# Altium PCB BMS.PcbDoc (part 1 of 2) (continued)
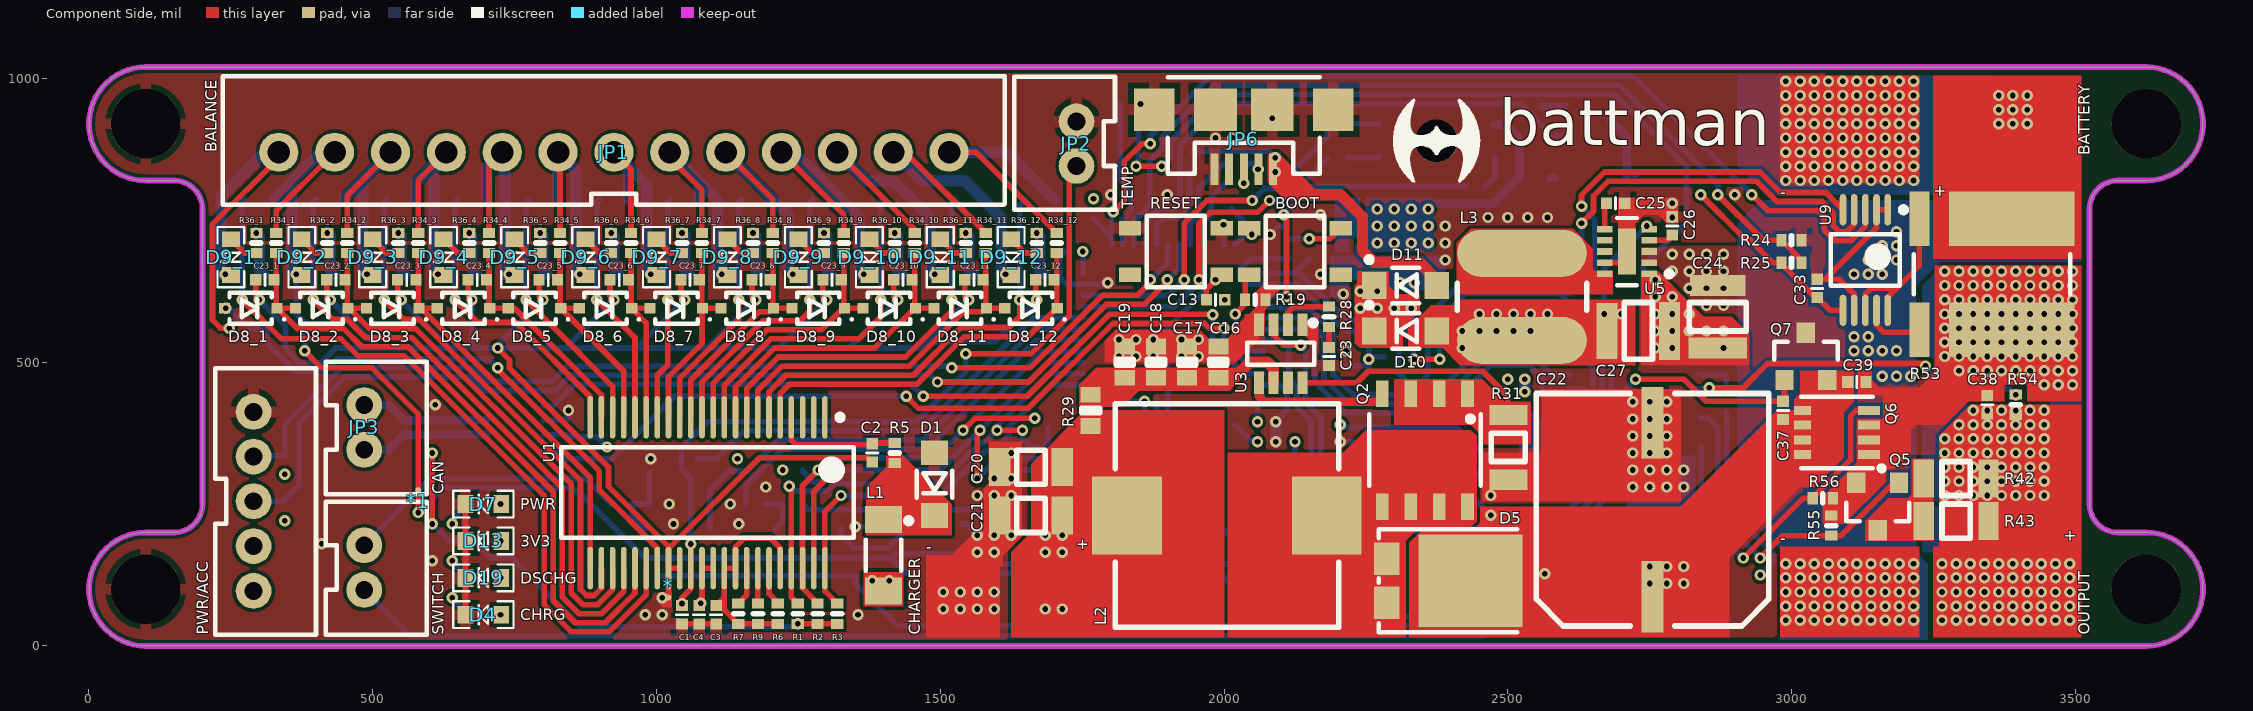
[diagram p0: Component Side view]
## Components (designator, comment, footprint, x,y, rotation, side; value= is the part's Value field where it differs from the comment) (continued)
R35_1 "47R 5% 0805" R0805[2012] 270,655 r0 bottom (schematic designator R35)
R35_2 "47R 5% 0805" R0805[2012] 395,655 r0 bottom (schematic designator R35)
R35_3 "47R 5% 0805" R0805[2012] 520,655 r0 bottom (schematic designator R35)
R35_4 "47R 5% 0805" R0805[2012] 645,655 r0 bottom (schematic designator R35)
R35_5 "47R 5% 0805" R0805[2012] 770,655 r0 bottom (schematic designator R35)
R35_6 "47R 5% 0805" R0805[2012] 895,655 r0 bottom (schematic designator R35)
R35_7 "47R 5% 0805" R0805[2012] 1020,655 r0 bottom (schematic designator R35)
R35_8 "47R 5% 0805" R0805[2012] 1145,655 r0 bottom (schematic designator R35)
R35_9 "47R 5% 0805" R0805[2012] 1270,655 r0 bottom (schematic designator R35)
R35_10 "47R 5% 0805" R0805[2012] 1395,655 r0 bottom (schematic designator R35)
R35_11 "47R 5% 0805" R0805[2012] 1520,655 r0 bottom (schematic designator R35)
R35_12 "47R 5% 0805" R0805[2012] 1645,655 r0 bottom (schematic designator R35)
R36_1 "100R 1% 0402" R0402[1005] 295,710 r90 top (schematic designator R36)
R36_2 "100R 1% 0402" R0402[1005] 420,710 r90 top (schematic designator R36)
R36_3 "100R 1% 0402" R0402[1005] 545,710 r90 top (schematic designator R36)
R36_4 "100R 1% 0402" R0402[1005] 670,710 r90 top (schematic designator R36)
R36_5 "100R 1% 0402" R0402[1005] 795,710 r90 top (schematic designator R36)
R36_6 "100R 1% 0402" R0402[1005] 920,710 r90 top (schematic designator R36)
R36_7 "100R 1% 0402" R0402[1005] 1045,710 r90 top (schematic designator R36)
R36_8 "100R 1% 0402" R0402[1005] 1170,710 r90 top (schematic designator R36)
R36_9 "100R 1% 0402" R0402[1005] 1295,710 r90 top (schematic designator R36)
R36_10 "100R 1% 0402" R0402[1005] 1420,710 r90 top (schematic designator R36)
R36_11 "100R 1% 0402" R0402[1005] 1545,710 r90 top (schematic designator R36)
R36_12 "100R 1% 0402" R0402[1005] 1670,710 r90 top (schematic designator R36)
R37 "150R 1% 0402" R0402[1005] 695,185 r180 bottom
R38 "51K 1% 0402" R0402[1005] 1240,250 r0 bottom
R39 "18K 1% 0402" R0402[1005] 1175,250 r0 bottom
R40 "4K7 1% 0402" R0402[1005] 1175,280 r180 bottom
R41 "10K 1% 0402" R0402[1005] 1535,145 r90 bottom
R42 "50R 2% 1206" R1206[3216] 3290,295 r0 top
R43 "50R 2% 1206" R1206[3216] 3290,220 r0 top
R44 "10K 1% 0402" R0402[1005] 1520,215 r180 bottom
R45 "10K 1% 0402" R0402[1005] 1110,250 r180 bottom
R46 "18K 1% 0402" R0402[1005] 940,250 r180 bottom
R47 "10K 1% 0402" R0402[1005] 1005,250 r180 bottom
R48 "10K 1% 0402" R0402[1005] 2565,145 r270 bottom
R49 "18K 1% 0402" R0402[1005] 2530,145 r90 bottom
R50 "100R 1% 0402" R0402[1005] 2530,430 r270 bottom
R51 "100R 1% 0402" R0402[1005] 2885,430 r270 bottom
R52 "4K7 1% 0402" R0402[1005] 1770,770 r90 bottom
R53 "" WSL2726 3353,655 r90 top
R54 "10M 1% 0402" R0402[1005] 3395,425 r270 top
R55 "10M 1% 0402" R0402[1005] 3070,212 r90 top
R56 "10M 1% 0402" R0402[1005] 3055,260 r0 top
R57 "10K 1% 0603" R0603[1608] 695,250 r180 bottom
R58 "120R 1% 0402" R0402[1005] 550,385 r90 bottom
R59 "10K 1% 0402" R0402[1005] 2545,950 r180 bottom
R60 "10K 1% 0603" R0603[1608] 695,120 r180 bottom
R61 "10K 1% 0402" R0402[1005] 1785,305 r0 bottom
R62 "4K7 1% 0402" R0402[1005] 1125,330 r0 bottom
RESET "" SWITCH 1915,695 r180 top
SWITCH "SWITCH" JST-PH-2-PTH-VERT 485,138 r270 top (schematic designator JP4)
U1 "LTC6803IG-3" TSSOP-44 1090,270 r270 top
U2 "STM32F303CBT6" LQFP-48 1910.47,548.46 r90 bottom
U3 "LTC3873ETS8" SOT-23-8 2100,515 r270 top
U4 "MAX5215GUA+" MSOP-8 2295,425 r270 bottom
U5 "MAX17502FATB+T" TDFN-10-EP 2710,695 r180 top
U6 "TPS62291DRVR" WSON-6 2235,665 r270 bottom
U7 "BQ76200PWR" TSSOP-16 2715,440 r0 bottom
U8 "TCAN332DCNR" SOT-23-8 750,385 r180 bottom
U9 "ISL28022FUZ-T7A" MSOP-10 3130,680 r270 top
U10 "PCF85263ATT" TSSOP-8 2345,170 r0 bottom
U11 "MX25R1635FZUIH0" USON-8 1700,330 r90 bottom
Y1 "8MHz, 10pF" ABRA-ABM3B-4_V 1940,230 r180 bottom
Y2 "32.768kHz, 6pF" ST3215SB 2145,100 r0 bottom

## Footprints (in the part's own frame and the unit in brackets; to place one, negate y for a bottom-side part, rotate by r counter-clockwise, add the part's x,y. Pads: shape width x height; smd on the part's side, far side on the other; paste and mask are expansions set on the pad)
1206_FUSE [mm]
  rect 1.1x2 smd: 1(-1.3,0) 2(1.3,0)
  silkscreen extent -0.5,-1 0.5,1, body extent -1.61,-0.8 1.61,0.8, height 0.67
ABRA-ABM3B-4_V [mil] "SMT Crystal, 4-Leads, Body 5.2x3.4mm"
  rect 63x55 smd: 1(-81.5,-47.5) 2(81.5,-47.5) 2_1(-81.5,47.5) 3(81.5,47.5)
  silkscreen extent -31,-72 31,72, body extent -98,-62 98,63, height 43
C0402[1005X55] [mm] "Chip Capacitor, Body 1.0x0.5mm"
  rect 0.5x0.52 smd: 1(-0.41,0) 2(0.41,0)
  silkscreen extent 0,-0.25 0,0.25, body extent -0.5,-0.25 0.5,0.25, height 0.56
C0603[1608X92] [mm] "Chip Capacitor, Body 1.6x0.8mm"
  rect 0.7x0.9 smd: 1(-0.7,0) 2(0.7,0)
  silkscreen extent -0.13,-0.38 0.13,0.38, body extent -0.8,-0.4 0.8,0.4, height 0.93
C1206[3216X160] [mm] "Chip Capacitor, Body 3.2x1.6mm"
  rect 0.95x1.7 smd: 1(-1.4,0) 2(1.4,0)
  silkscreen extent -0.64,-0.76 0.64,0.76, body extent -1.6,-0.75 1.6,0.75, height 1.67
C1210[3225X200] [mm] "Chip Capacitor, Body 3.2x2.5mm"
  rect 0.95x2.6 smd: 1(-1.4,0)
  rect 0.95x2.5 smd: 2(1.4,0)
  silkscreen extent -0.64,-1.27 0.64,1.27, body extent -1.6,-1.25 1.6,1.25, height 1.99
C1210[3225X250] [mm] "Chip Capacitor, Body 3.2x2.5mm"
  rect 0.95x2.6 smd: 1(-1.4,0)
  rect 0.95x2.5 smd: 2(1.4,0)
  silkscreen extent -0.64,-1.27 0.64,1.27, body extent -1.6,-1.25 1.6,1.25, height 2.44
CAP-ELECTROLYTIC[10.0X12.6] [mm]
  rect 1x3.2 smd: 1(0,3.9) 2(0,-3.9)
  silkscreen extent -5.2,-5.2 5.2,5.2, body extent -5.2,-5.45 5.1,5.45, height 10.2
CSS-0575A-SMT [mm]
  rect 2.1x1.7 smd: 1(-1.9,-1.75) 2(1.9,-1.75) 3(-1.9,1.75)
  silkscreen extent -2.5,-2.5 2.5,2.5, body extent -2.5,-2.5 2.5,2.5, height 1.9
DIRECTFET-9 [mm]
  rect 0.7x1.3 smd: 1(-2.25,0)
  rect 1.1x0.85 smd: 2(1.95,-1.725) 2_1(1.95,-0.575) 2_2(1.95,0.575) 2_3(1.95,1.725) 2_4(-0.85,1.725) 2_5(-0.85,0.575) 2_6(-0.85,-0.575) 2_7(-0.85,-1.725)
  rect 1.1x1.7 smd: 3(4.5,2.2) 3_1(4.5,0) 3_2(4.5,-2.2) 3_3(-4.5,-2.2) 3_4(-4.5,0) 3_5(-4.5,2.2)
  silkscreen extent -4.6,-3.7 3.9,3.5, body extent -4.57,-3.55 4.58,3.55, height 0.83
DO-214AC [mm] "DO-214AC, 2-Leads, Body 4.5x2.79mm, IPC Medium Density"
  rect 1.52x1.68 smd: 1(-1.88,0) 2(1.88,0)
  silkscreen extent -2.65,-1.4 2.25,1.4, body extent -2.8,-1.48 2.8,1.47, height 2.7
IND0805 [mm] "Chip Inductor Body 2.0x1.25mm"
  rect 0.7x1.3 smd: 1(-0.95,0) 2(0.95,0)
  silkscreen extent -0.25,-0.64 0.25,0.64, body extent -1,-0.63 1,0.63, height 0.85
JST-PH-2-PTH-VERT [mil]
  round 63 hole 31.5: 1(-39.37,0) 2(39.37,0)
  silkscreen extent -116,-68 118,110, body extent -116,-67 116,110, height 236
JST-PH-5-PTH-VERT [mil]
  round 63 hole 31.5: 1(-157.48,0) 2(-78.74,0) 3(0,0) 4(79,0) 5(158,0)
  silkscreen extent -234,-68 235,110, body extent -236,-69 232,108, height 236
JST-XH-13-PTH-VERT [mm]
  round 1.75 hole 1: 1(-15,0) 2(-12.5,0) 3(-10,0) 4(-7.5,0) 5(-5,0) 6(-2.5,0) 7(0,0) 8(2.5,0) 9(5,0) 10(7.5,0) 11(10,0) 12(12.5,0) 13(15,0)
  silkscreen extent -17.5,-2.36 17.5,3.4, body extent -17.45,-2.38 17.45,3.37, height 7
LED0603 [mm]
  rect 0.7x0.8 smd: A(-0.8,0) C(0.8,0)
  silkscreen extent -1.35,-0.6 1.35,0.6, body extent -0.8,-0.4 0.8,0.4, height 0.75
LQFP-48 [mm] "QFP, 48-Leads, Body 7x7mm, Pitch 0.5mm, IPC High Density"
  oval 1.55x0.25 smd: 1(-4.025,2.75) 2(-4.025,2.25) 3(-4.025,1.75) 4(-4.025,1.25) 5(-4.025,0.75) 6(-4.025,0.25) 7(-4.025,-0.25) 8(-4.025,-0.75) 9(-4.025,-1.25) 10(-4.025,-1.75) 11(-4.025,-2.25) 12(-4.025,-2.75) 25(4.025,-2.75) 26(4.025,-2.25) 27(4.025,-1.75) 28(4.025,-1.25) 29(4.025,-0.75) 30(4.025,-0.25) 31(4.025,0.25) 32(4.025,0.75) 33(4.025,1.25) 34(4.025,1.75) 35(4.025,2.25) 36(4.025,2.75)
  oval 0.25x1.55 smd: 13(-2.75,-4.025) 14(-2.25,-4.025) 15(-1.75,-4.025) 16(-1.25,-4.025) 17(-0.75,-4.025) 18(-0.25,-4.025) 19(0.25,-4.025) 20(0.75,-4.025) 21(1.25,-4.025) 22(1.75,-4.025) 23(2.25,-4.025) 24(2.75,-4.025) 37(2.75,4.025) 38(2.25,4.025) 39(1.75,4.025) 40(1.25,4.025) 41(0.75,4.025) 42(0.25,4.025) 43(-0.25,4.025) 44(-0.75,4.025) 45(-1.25,4.025) 46(-1.75,4.025) 47(-2.25,4.025) 48(-2.75,4.025)
  silkscreen extent -4.15,-2.85 2.85,3.55, body extent -4.5,-4.5 4.5,4.5, height 1.6
MSOP-8 [mm] "SOP, 8-Leads, Body 3x3mm, Pitch 0.65mm, IPC Medium Density"
  oval 1.6x0.45 smd: 1(-2.15,0.975) 2(-2.15,0.325) 3(-2.15,-0.325) 4(-2.15,-0.975) 5(2.15,-0.975) 6(2.15,-0.325) 7(2.15,0.325) 8(2.15,0.975)
  silkscreen extent -2.27,-1.55 0.95,1.87, body extent -2.5,-1.5 2.5,1.5, height 0.92
MSOP-10 [mm] "TSSOP, 10-Leads, Body 3.00x3.00mm, Pitch 0.50mm, IPC Medium Density"
  oval 1.4x0.3 smd: 1(-2.25,1) 2(-2.25,0.5) 3(-2.25,0) 4(-2.25,-0.5) 5(-2.25,-1) 6(2.25,-1) 7(2.25,-0.5) 8(2.25,0) 9(2.25,0.5) 10(2.25,1)
  silkscreen extent -2.37,-1.55 1.15,1.83, body extent -2.45,-1.5 2.45,1.5, height 1.15
MURA-BLM31-B60-CHIP-2_V3 [mm] "Chip Ferrite Bead, 2-Leads, Body 3.2x1.6mm, Height 1.3mm, 70um Land Pad Thickness, 6A Rated Current"
  rect 1.2x1.65 smd: 1(-1.6,0) 2(1.6,0)
  silkscreen extent -0.7,-0.8 0.7,0.8, body extent -1.6,-0.8 1.6,0.8, height 1
NETTIE [mil]
  round 10 smd paste-10 mask+0: 1(-19.69,0) 2(19.69,0)
  Component Side lines w10: -19.69,0 19.69,0
POWERPAK-8 [mm] "SOIC, 8-Leads, Body 4.90x3.90mm, Pitch 1.27mm, IPC Medium Density"
  rect 1.194x0.56 smd: 1(-2.528,1.905) 1(-2.528,-0.635) 1(-2.528,0.635) 2(-2.528,-1.905) 3(2.527,1.905) 3(2.527,-0.635) 3(2.527,0.635) 3(2.527,-1.905)
  Component Side region: -0.889,-2.032 2.286,-2.032 2.286,2.032 -0.889,2.032
  silkscreen extent -1.6,-2.5 1.6,2.5, body extent -3.07,-2.57 3.08,2.58, height 1.04
PowerPak-1212-8 [mm] "SOIC, 8-Leads, Body 4.90x3.90mm, Pitch 1.27mm, IPC Medium Density"
  rect 0.99x0.405 smd: 1(-1.435,0.99) 1(-1.435,-0.33) 1(-1.435,0.33) 2(-1.435,-0.99)
  rect 0.76x0.405 smd: 3(1.55,0.99) 3(1.55,-0.33) 3(1.55,0.33) 3(1.55,-0.99)
  Component Side region: -0.3,-1.1 1.4,-1.1 1.4,1.1 -0.3,1.1
  silkscreen extent -2.1,-1.6 1.6,1.7, body extent -1.77,-1.8 1.77,1.75, height 1.04
R0402[1005] [mm] "Chip Resistor, Body 1.0x0.5mm"
  rect 0.45x0.55 smd: 1(-0.45,0) 2(0.45,0)
  silkscreen extent 0,-0.2 0,0.2, body extent -0.5,-0.25 0.5,0.25, height 0.35
R0603[1608] [mm] "Chip Resistor, Body 1.55x0.85mm"
  rect 0.7x0.9 smd: 1(-0.7,0) 2(0.7,0)
  silkscreen extent -0.1,-0.4 0.1,0.4, body extent -0.77,-0.42 0.78,0.43, height 0.45
R0805[2012] [mm] "Chip Resistor, Body 2.0x1.25mm"
  rect 0.7x1.3 smd: 1(-0.95,0) 2(0.95,0)
  silkscreen extent -0.25,-0.64 0.25,0.64, body extent -1,-0.62 1,0.63, height 0.45
R1206[3216] [mm] "Chip Resistor, Body 3.2x1.6mm"
  rect 0.9x1.7 smd: 1(-1.45,0) 2(1.45,0)
  silkscreen extent -0.64,-0.76 0.64,0.76, body extent -1.6,-0.8 1.6,0.8, height 0.55
SDR0604 [mm]
  rrect100% 2.1x5.8 smd: 1(-1.95,0) 2(1.95,0)
  Component Side region: -2,2.9 -0.9,2.9 -0.9,-2.9 -2,-2.9 -2.5,-2.766 -2.866,-2.4 -3,-1.9 -3,-1.9 -3,1.9 -2.866,2.4 -2.5,2.766 -2,2.9
  Component Side region: 2,2.9 0.9,2.9 0.9,-2.9 2,-2.9 2.5,-2.766 2.866,-2.4 3,-1.9 3,-1.9 3,1.9 2.866,2.4 2.5,2.766 2,2.9
  silkscreen extent -0.6,-2.9 0.6,2.9, body extent -2.75,-2.8 2.75,2.8, height 4.55
SOD-123 [mm] "SOD, 2-Leads, Body 2.69x1.6mm"
  rect 1.1x1.22 smd: 1(-1.4,0) 2(1.4,0)
  silkscreen extent -1.76,-0.8 0.6,1.28, body extent -1.75,-0.8 1.75,0.8, height 1.1
SOD-123W [mm] "SODFL, 2-Leads, Body 1.70x3.50mm, IPC Medium Density"
  rect 1x1.1 smd: 1(-1.55,0) 2(1.55,0)
  silkscreen extent -2,-0.9 1.4,0.9, body extent -1.75,-0.95 1.75,0.95, height 1.1
SOD-323 [mm] "SODFL, 2-Leads, Body 1.30x2.57mm, IPC Medium Density"
  rect 0.5x0.45 smd: 1(-1.175,0) 2(1.175,0)
  silkscreen extent -1.55,-0.7 0.95,0.7, body extent -1.25,-0.63 1.25,0.62, height 0.98
SOT23-3 [mil]
  rect 32x36 smd: 1(-37.4,-39.37) 2(0,44) 3(38,-39.37)
  silkscreen extent -55,-4 56,28, body extent -58,-50 60,50, height 39
SOT323-3 [mm] "SOT23, 3-Leads, Body 2.00x2.10mm, Pitch 0.65mm, IPC Medium Density"
  rect 0.85x0.45 smd: 1(-1.055,0.65) 2(-1.055,-0.65) 3(1.055,0)
  silkscreen extent -1.18,-1.1 0.63,1.55, body extent -1.12,-1.1 1.12,1.1, height 1.1
SOT-23-8 [mm] "SOT23, 8-Leads, Body 2.90x1.60mm, Pitch 0.65mm, IPC Medium Density"
  rect 1x0.45 smd mask+0.08: 1(-1.3,0.975) 2(-1.3,0.325) 3(-1.3,-0.325) 4(-1.3,-0.975) 5(1.3,-0.975) 6(1.3,-0.325) 7(1.3,0.325) 8(1.3,0.975)
  silkscreen extent -1.5,-1.5 0.5,1.58, body extent -1.4,-1.47 1.4,1.47, height 1.2
SRP1038A [mil]
  rect 123x137.8 smd: 1(-176,0) 2(176,0)
  silkscreen extent -197,-197 197,197, body extent -205,-197 205,197, height 148
ST3215SB [mm] "Crystal, 2-Leads, Body 3.2x1.5mm, Pitch 2.5mm"
  rect 1.1x1.9 smd: 1(-1.25,0) 2(1.25,0)
  body extent -1.6,-0.75 1.6,0.75, height 0.89
SWITCH [mm]
  rect 1x0.65 smd: 1(-2.05,1.05) 2(2.05,1.05) 3(-2.05,-1.05) 4(2.05,-1.05)
  silkscreen extent -1.3,-1.6 1.3,1.6, body extent -2.3,-1.6 2.3,1.6, height 2.5
TDFN-10-EP [mm] "TDFN, 10-Leads, Body 2x3mm, Pitch 0.50mm, Thermal Pad 0.8x2.08mm"
  rect 0.7x0.3 smd: 1(-0.99,1) 2(-0.99,0.5) 3(-0.99,0) 4(-0.99,-0.5) 5(-0.99,-1) 6(0.99,-1) 7(0.99,-0.5) 8(0.99,0) 9(0.99,0.5) 10(0.99,1)
  rect 0.8x2.08 smd: 11(0,0)
  silkscreen extent -2.01,-1.5 0.45,1.5, body extent -1.02,-1.5 1,1.5, height 0.75
TO-277 [mm]
  rect 4.65x4.15 smd mask+0: 1(-1,0)
  rect 1.15x1.45 smd mask+0: 2(2.75,-0.985) 2_1(2.75,0.985)
  silkscreen extent -3.1,-2.3 3.1,2.3, body extent -3.35,-2.37 3.3,2.37, height 1.2
TSSOP-8 [mm] "TSOP, 8-Leads, Body 3.00x3.00mm, Pitch 0.65mm, IPC Medium Density"
  oval 1.35x0.45 smd: 1(-2.225,0.975) 2(-2.225,0.325) 3(-2.225,-0.325) 4(-2.225,-0.975) 5(2.225,-0.975) 6(2.225,-0.325) 7(2.225,0.325) 8(2.225,0.975)
  silkscreen extent -2.35,-1.55 1.15,1.92, body extent -2.45,-1.55 2.45,1.55, height 1.1
TSSOP-16 [mil]
  oval 58x14 smd: 1(-111,89.57) 2(-111,63.98) 3(-111,38.39) 4(-111,12.8) 5(-111,-12.8) 6(-111,-38.39) 7(-111,-63.98) 8(-111,-89.57) 9(111,-89.57) 10(111,-63.98) 11(111,-38.39) 12(111,-12.8) 13(111,12.8) 14(111,38.39) 15(111,63.98) 16(111,89.57)
  silkscreen extent -70,-100 70,100, body extent -126,-99 126,98, height 48
TSSOP-44 [mm] "SOP, 44-Leads, Body 13.1x5.6mm, Pitch 0.5mm, IPC High Density"
  oval 1.9x0.25 smd: 1(-3.375,5.25) 2(-3.375,4.75) 3(-3.375,4.25) 4(-3.375,3.75) 5(-3.375,3.25) 6(-3.375,2.75) 7(-3.375,2.25) 8(-3.375,1.75) 9(-3.375,1.25) 10(-3.375,0.75) 11(-3.375,0.25) 12(-3.375,-0.25) 13(-3.375,-0.75) 14(-3.375,-1.25) 15(-3.375,-1.75) 16(-3.375,-2.25) 17(-3.375,-2.75) 18(-3.375,-3.25) 19(-3.375,-3.75) 20(-3.375,-4.25) 21(-3.375,-4.75) 22(-3.375,-5.25) 23(3.375,-5.25) 24(3.375,-4.75) 25(3.375,-4.25) 26(3.375,-3.75) 27(3.375,-3.25) 28(3.375,-2.75) 29(3.375,-2.25) 30(3.375,-1.75) 31(3.375,-1.25) 32(3.375,-0.75) 33(3.375,-0.25) 34(3.375,0.25) 35(3.375,0.75) 36(3.375,1.25) 37(3.375,1.75) 38(3.375,2.25) 39(3.375,2.75) 40(3.375,3.25) 41(3.375,3.75) 42(3.375,4.25) 43(3.375,4.75) 44(3.375,5.25)
  silkscreen extent -3.5,-6.55 2.02,6.55, body extent -3.9,-6.55 3.9,6.55, height 2
USB-MICROB [mil]
  rect 14x56 smd: D+(0,105) D-(-25.59,105) GND(52,105) ID(26,105) VBUS(-51.18,105)
  rect 71x75 smd: MT1(-157.48,0) MT2(158,0)
  rect 75x75 smd: P$1(-50,0) P$2(50,0)
  silkscreen extent -134,-57 134,113, body extent -157,-98 157,115, height 112
USON-8 [mm] "SON, 8-Leads, Body 2.00x3.00mm, Pitch 0.50mm, Thermal Pad 1.60x0.20mm, IPC Medium Density"
  rect 0.9x0.25 smd: 1(-1.395,0.75) 2(-1.395,0.25) 3(-1.395,-0.25) 4(-1.395,-0.75) 5(1.395,-0.75) 6(1.395,-0.25) 7(1.395,0.25) 8(1.395,0.75)
  rect 0.2x1.6 smd: 9(0,0)
  silkscreen extent -2,-1.2 1.55,1.25, body extent -1.58,-1.05 1.59,1.05, height 0.6
WSL2726 [mm]
  rect 2.44x5.6 smd: 1(-2.48,-0.89) 2(2.48,-0.89)
  rect 2.44x0.89 smd: 3(-2.48,3.245) 4(2.48,3.245)
  silkscreen extent -0.9,-3.5 0.9,3.5, body extent -3.45,-3.04 3.45,3.56, height 2.95
WSON-6 [mm] "SON, 6-Leads, Body 2x2mm, Pitch 0.65mm, Thermal Pad 1.6x1mm, TI Recommended"
  rect 0.45x0.3 smd: 1(-0.975,0.65) 2(-0.975,0) 3(-0.975,-0.65) 4(0.975,-0.65) 5(0.975,0) 6(0.975,0.65)
  rect 1x1.6 smd paste-0.5: 7(0,0)
  rrect0% 1x0.7 on Bottom Paste: 7_1(0,0.45) 7_2(0,-0.45)
  silkscreen extent -1.45,-1.2 1.05,1.2, body extent -1.05,-1.05 1.05,1.05, height 0.81
XZMDKCBDDG45S-9 [mm]
  round 1.9 hole 1.9 paste+0 mask+0: 0(0,0)
  rect 1.4x0.8 smd: 1(2.6,0.725) 2(-2.6,0.725) 3(-2.6,-0.725) 4(2.6,-0.725)
  silkscreen extent -1.6,-1.4 1.6,1.4, body extent -2.6,-1.4 2.6,1.4, height 1.89

## Part data
BOOT RESET: library part DIPT-DTSM-6, "Switch, SPNO Push Button SMD"
C1 C3 C4 C26 C33: library part CAP_1uF_6.3V_0402_10%, "1uF 6.3V 10% 0402 (1005 Metric)"
C2 C23_1 C23_2 C23_3 C23_4 C23_5 C23_6 C23_7 C23_8 C23_9 C23_10 C23_11 C23_12 C38 C39: library part CAP_0.1uF_100V_0402_10%, "0.1uF 100V 10% 0402 (1005 Metric)"
C5 C13 C14 C32 C34 C35 C40 C41 C42: library part CAP_0.1uF_6.3V_0402_10%, "0.1uF 6.3V 10% 0402 (1005 Metric)"
C6: library part CAP_4.7uF_6.3V_0402_20%, "4.7uF 6.3V 20% 0402 (1005 Metric)"
C7 C8: library part CAP_15pF_50V_0402_5%, "15pF 50V 5% 0402 (1005 Metric)"
C9 C10 C11 C12 C15: library part CAP_2.2uF_6.3V_0402_20%, "2.2uF 6.3V 20% 0402 (1005 Metric)"
C16 C17 C18 C19: library part CAP_10uF_16V_0603_10%, "10uF 16V 10% 0603 (1608 Metric)"
C20 C21: library part CAP_10uF_50V_1206_20%, "10uF 50V 20% 1206 (3216 Metric)"
C22: library part CAP_180uF_50V_20%, "180uF 50V 20%"
C23: library part CAP_2.2nF_50V_0402_10%, "2.2nF 50V 10% 0402 (1005 Metric)"
C24: library part CAP_4.7uF_100V_1210_10%, "4.7uF 100V 10% 1210 (3225 Metric)"
C25: library part CAP_3.3nF_50V_0402_10%, "3.3nF 50V 10% 0402 (1005 Metric)"
C27: library part CAP_47uF_6.3V_1210_10%, "47uF 6.3V 10% 1210 (3225 Metric)"
C28 C29: library part CAP_10uF_6.3V_0402_20%, "10uF 6.3V 20% 0402 (1005 Metric)"
C30: library part CAP_1uF_50V_0603_10%, "1uF 50V 10% 0603 (1608 Metric)"
C31 C36: library part CAP_10nF_100V_0402_10%, "10nF 100V 10% 0402 (1005 Metric)"
C37: library part CAP_1nF_50V_0402_5%, "1nF 50V 5% 0402 (1005 Metric)"
D1: library part CMHZ5265B, "Zener Diodes 500mW Zener Diode 185mA 58.9V to 2V"
D3: library part PTVS51VS1UTR,115
D5: "Schottky Diodes & Rectifiers 10 Amp 120V Schottky Rectifier"
D6 D16 D17: library part SMAJ51A-E3/61
D7 D19: library part LED_0603_GREEN_5mA
D8_1 D8_2 D8_3 D8_4 D8_5 D8_6 D8_7 D8_8 D8_9 D8_10 D8_11 D8_12: "Zener Voltage Regulator, 300 mW, 2-Pin SOD-323, Tape and Reel"
F1 F2 F3 F4 F5 F6: "Surface Mount Fuses UST 1206 FUSE 25A F"
JP1: library part JST_XH_13_VERT
JP2 JP3 SWITCH: library part JST_PH_2_VERT
JP6: library part USB_MICROB_SMT
L1: "EMI Filter Beads, Chips & Arrays 1206 33 OHM"
L2: "22uH 20% 7A 1038"
L3: library part SDR0604-220YL, "22uH 30% 1.1A 0604"
L4: library part IND_2.2uH_1.7A_0805_20%, "2.2uH 20% 1.7A 0805"
LS1: "Magnetic Buzzer Transducer"
PWR/ACC: library part JST_PH_5_VERT
Q1 Q8 Q10 Q11 Q12 Q13: library part BSS123WQ-7-F, "N-Channel MOSFET"
Q2: library part SIR664DP-T1-GE3, "N-Channel MOSFET"
Q3_1 Q3_2 Q3_3 Q3_4 Q3_5 Q3_6 Q3_7 Q3_8 Q3_9 Q3_10 Q3_11 Q3_12 Q9: library part "BSS84PW H6327", "P-Channel MOSFET"
Q4: library part IRF7749L2, "N-Channel MOSFET"
Q5 Q7: "P-Channel MOSFET"
Q6: "N-Channel MOSFET"
R1 R2 R3 R6 R7 R9: library part RES_1M_0402_1%, "1M 0.063W 1% 0402 (1005 Metric)"
R4: library part RES_100K_0402_1%, "100K 0.063W 1% 0402 (1005 Metric)"
R5 R10 R34_1 R34_2 R34_3 R34_4 R34_5 R34_6 R34_7 R34_8 R34_9 R34_10 R34_11 R34_12 R36_1 R36_2 R36_3 R36_4 R36_5 R36_6 R36_7 R36_8 R36_9 R36_10 R36_11 R36_12 R50 R51: library part RES_100R_0402_1%, "100R 0.063W 1% 0402 (1005 Metric)"
R8: library part RES_1K_0402_1%, "1K 0.063W 1% 0402 (1005 Metric)"
R11 R12: library part RES_22R_0402_1%, "22R 0.063W 1% 0402 (1005 Metric)"
R13: library part RES_1K5_0402_1%, "1K5 0.063W 1% 0402 (1005 Metric)"
R14 R19 R23 R24 R28 R41 R44 R45 R47 R48 R59 R61: library part RES_10K_0402_1%, "10K 0.063W 1% 0402 (1005 Metric)"
R15 R16: library part RES_2K2_0402_1%, "2K2 0.063W 1% 0402 (1005 Metric)"
R17 R18 R40 R52 R62: library part RES_4K7_0402_1%, "4K7 0.063W 1% 0402 (1005 Metric)"
R20 R21: library part RES_4R7_0402_1%, "4R7 0.063W 1% 0402 (1005 Metric)"
R22 R32: library part RES_200K_0402_1%, "200K 0.063W 1% 0402 (1005 Metric)"
R25: library part NTC_10K_0402_0.5%, "NTC 10K 0.5% 0402 (1005 Metric)"
R26: library part RES_68R_0402_1%, "68R 0.063W 1% 0402 (1005 Metric)"
R27 R57 R60: library part RES_10K_0603_1%, "10K 0.25W 1% 0603 (1005 Metric)"
R29: library part RES_2K_0603_2%, "2K 1.5W 2% 0603 (1005 Metric)"
R30: library part RES_6K98_0402_1%, "6K98 0.063W 1% 0402 (1005 Metric)"
R31: library part RES_0.016R_1206_1%, "0.016R 1W 1% 1206 (3216 Metric)"
R33: library part RES_15K_0402_1%, "15K 0.063W 1% 0402 (1005 Metric)"
R35_1 R35_2 R35_3 R35_4 R35_5 R35_6 R35_7 R35_8 R35_9 R35_10 R35_11 R35_12: library part RES_47R_0805_5%, "47R 0.5W 5% 0805 (2012 Metric)"
R37: library part RES_150R_0402_1%, "150R 0.063W 1% 0402 (1005 Metric)"
R38: library part RES_51K_0402_1%, "51K 0.063W 1% 0402 (1005 Metric)"
R39 R46 R49: library part RES_18K_0402_1%, "18K 0.063W 1% 0402 (1005 Metric)"
R42 R43: library part RES_50R_1206_2%, "50R 2.4W 2% 1206 (3216 Metric)"
R53: library part WSLP2726, "Current Sense Resistor, 0.0005R"
R54 R55 R56: library part RES_10M_0402_1%, "10M 0.063W 1% 0402 (1005 Metric)"
R58: library part RES_120R_0402_1%, "120R 0.063W 1% 0402 (1005 Metric)"
U4: "14 Bit Digital to Analog Converter"
U5: "Ultra-Small, High-Efficiency, Synchronous Step-Down DC-DC Converter, 4.5 to 60 V, 1 A, -40 to 125 degC, 10-Pin TDFN (T1032N+1), RoHS, Tape and Reel"
U6: "Voltage Regulators - Switching Regulators 2.25MHz 1A Step-Down Cnvrtr 3.3V Output"
U7: "Battery Management Fast high side NCH drive"
U8: "CAN Interface IC 3.3-V CAN Transceivers with CAN FD (Flexible Data Rate) 8-SOT-23 -40 to 125"
U10: "Real Time Clock Real-Time Clock calendar"
Y1: library part ABRA-ABM3B-4
Y2: library part ST3215SB32768B0HPWB3, "32.768kHz ±20ppm Crystal 6pF 60 kOhm -40°C ~ 85°C Surface Mount 2-SMD, No Lead (DFN, LCC)"

## Free pads (board coordinates)
  round 122.05 hole 122.05 mask+0: 0(100,100) 0(100,920) 0(3625,100) 0(3625,920)
  round 122.05 on Bottom Paste mask+0: 2(100,100) 2(100,920) 2(3625,100) 2(3625,920)
  round 122.05 on Top Paste mask+0: 2(100,100) 2(100,920) 2(3625,100) 2(3625,920)

## Via types
v1: diameter 20, hole 10, Component Side to Solder Side, 645 vias
v2: diameter 20, hole 10, Component Side to Solder Side, tented top, 1 vias

## Nets (pads, with @x,y where several pads share a name; then routed paths per layer and width w, separated by ;. In a path a pad name is that pad's centre, name@x,y a point inside that pad or via, vN(x,y) a via of type N, cw(c..) or ccw(c..) an arc to the next point about the centre after c; other vN are vias at no path point)
5V: C27.2 D10.2 D12.1 L3.2 PWR/ACC.5 U5.5 | length 186.1
  Solder Side w10: v1(2670,585) 2670,665 v1(2745,740)
  other v1: 2420,525 2420,555 2450,555 2480,555 2510,555 2540,555 2450,585 2480,585 2510,585 2540,585 2570,585 2700,585
ACC.ACC1: PWR/ACC.3 R17.1 U2.31 | length 1942.7
  Component Side w10: v1(1495,465) 1655.77,465 1792.59,601.82 1859.45,601.82 1900,642.37 v1(1900,645)
  Solder Side w10: PWR/ACC.3@290,255 342.28,255 R17.1@345,257.72 370,282.72 370,392.37 451.63,474 671,474 695,450 822.37,450 849.37,477 1483,477 1492.5,467.5 1495,470 v1(1495,465) ; v1(1900,645) 1900.3,645 1920.32,665.01 U2.31@1920.32,706.93
ACC.ACC2: PWR/ACC.2 R18.1 U2.30 | length 1845.1
  Component Side w10: v1(1520,490) 1658.14,490 1785.96,617.82 1847.82,617.82 1870,640 v1(1870,645)
  Solder Side w10: PWR/ACC.2@290,333.74 291.26,335 345,335 R18.1@345,337.72 345,390 445,490 680,490 704,466 815.75,466 842.75,493 1517,493 1518,492 1518,488 v1(1520,490) ; v1(1870,645) 1900.63,675.63 U2.30@1900.63,706.93
B+: D16.1 R53.2
  other v1: 3365,920 3390,920 3415,920 3365,945 3390,945 3415,945 3365,970 3390,970 3415,970
C1: *1.2 C34.2 D18.1 Q9.2 R41.2 U10.3 | length 1812.8
  Component Side w10: v1(580,235) *1.2@580,235.31
  Solder Side w10: v1(580,235) 585,239 625,279 852.26,279 D18.1@870,261.26 ; D18.1@870,264.21 979.22,155 1412.87,155 ; Q9.2@1439.41,128.46 1412.87,155 ; U10.3@2257.4,182.8 2213.94,182.8 C34.2@2210,178.86 2098.86,178.86 2064,144 1553.72,144 R41.2@1535,162.72 1420.59,162.72 1412.87,155
C+: C20.2 C21.2 D3.1 L2.1 R27.2 R29.2 R38.2 | length 516.8
  Solder Side w10: v1(640,85) 640,82.44 R27.2@667.44,55 ; R38.2@1257.72,250 1267.72,240 1610,240 1670,180 D3.1@1701.02,180 ; v1(1685,195) D3.1@1687.19,192.81
  other v1: 1685,65 1715,65 1685,165 1715,165 1715,195
CAN.RX: U2.45 U8.4 | length 1437.3
  Component Side w10: v1(1440,440) 1461,419 1655.03,419 1804.27,568.24 1965.82,568.24 1974.07,560 v1(2000,560) v1@2004.07,560
  Solder Side w10: U8.4@801.18,346.61 818.39,346.61 835.35,329.65 921.53,329.65 933.83,341.95 933.83,342.11 1031.73,440 v1(1440,440) ; v1(2000,560) 2000,536.83 2037.57,499.25 U2.45@2068.94,499.25
CAN.TX: U2.46 U8.1 | length 1425
  Component Side w10: v1(1470,440) 1653.4,440 1797.64,584.24 1979.52,584.24 v1(1980,583.76)
  Solder Side w10: U8.1@801.18,423.39 818.39,423.39 856,461 1448.7,461 1468.7,441 1469,441 v1(1470,440) ; v1(1980,583.76) 1979,582.76 1979,535.2 2034.63,479.57 U2.46@2068.94,479.57
CELL0: D9_1.C JP1.1 R10.2 R35_1.1 | length 641.4
  Component Side w10: v1(247.28,560) 231.81,560 217.7,574.1 217.7,743.25 JP1.1@334.45,860
  Solder Side w20: R35_1.1@232.6,655 232.6,792.94 309.66,870 JP1.1@334.45,870
  other v1: 240,655
CELL1: *1.1 D9_2.C JP1.2 Q3_1.2 R34_1.2 R35_2.1 | length 1007.4
  Component Side w10: R34_1.2@330,727.72 330,767.13 422.87,860 JP1.2@432.87,860 ; v1(380,520) 410,490 498.6,490 580,408.6 *1.1@580,274.69
  Solder Side w10: v1(365,655) 365,585 380,570 v1(380,520)
  Solder Side w20: Q3_1.2@325.59,786.54 357.6,818.54 ; R35_2.1@357.6,655 357.6,818.54 ; JP1.2@432.87,870 409.06,870 357.6,818.54
CELL2: D9_3.C JP1.3 Q3_2.2 R34_2.2 R35_3.1 | length 456
  Component Side w10: R34_2.2@455,727.72 455,793.7 521.3,860 JP1.3@531.3,860
  Solder Side w20: Q3_2.2@450.59,786.54 450.59,789.29 482.6,821.3 ; v1(490,655) 482.6,662.4 482.6,821.3 ; JP1.3@531.3,870 482.6,821.3
CELL3: D9_4.C JP1.4 Q3_3.2 R34_3.2 R35_4.1 | length 450.1
  Component Side w10: R34_3.2@580,727.72 580,820.28 619.72,860 JP1.4@629.72,860
  Solder Side w20: Q3_3.2@575.59,786.54 575.59,815.87 607.6,847.87 607.6,662.4 v1(615,655) ; JP1.4@615,855.28 JP1.4@629.72,870
CELL4: D9_5.C JP1.5 Q3_4.2 R34_4.2 R35_5.1 | length 420.5
  Component Side w10: R34_4.2@705,727.72 705,846.85 718.15,860 JP1.5@728.15,860
  Solder Side w20: Q3_4.2@700.59,786.54 700.59,842.44 ; JP1.5@728.15,870 732.6,865.55 R35_5.1@732.6,655
  other v1: 740,655
CELL5: D9_6.C JP1.6 Q3_5.2 R34_5.2 R35_6.1 | length 448.5
  Component Side w10: JP1.6@826.57,860 830,856.57 R34_5.2@830,727.72
  Solder Side w20: Q3_5.2@825.59,786.54 825.59,869.02 JP1.6@826.57,870 857.6,838.98 857.6,662.4 v1(865,655)
CELL6: D9_7.C JP1.7 Q3_6.2 R34_6.2 R35_7.1 | length 450.4
  Component Side w10: JP1.7@925,860 935,860 955,840 R34_6.2@955,727.72
  Solder Side w20: JP1.7@925,870 950.59,844.41 ; Q3_6.2@950.59,786.54 950.59,844.41 ; v1(990,655) 982.6,662.4 982.6,812.4 950.59,844.41
CELL7: D9_8.C JP1.8 Q3_7.2 R34_7.2 R35_8.1 | length 465
  Component Side w10: JP1.8@1023.43,860 1080,803.43 R34_7.2@1080,727.72
  Solder Side w20: JP1.8@1023.43,870 1075.59,817.83 ; Q3_7.2@1075.59,786.54 1075.59,817.83 ; R35_8.1@1107.6,655 1107.6,669.54 R35_8.1@1115,676.94 ; v1(1115,655) R35_8.1@1115,676.94 ; 1075.59,817.83 1107.6,785.83 1107.6,684.34 R35_8.1@1115,676.94
CELL8: D9_9.C JP1.9 Q3_8.2 R34_8.2 R35_9.1 | length 445.4
  Component Side w10: JP1.9@1121.85,870 1205,786.85 R34_8.2@1205,727.72
  Solder Side w20: JP1.9@1121.85,870 Q3_8.2@1200.59,791.26 ; Q3_8.2@1200.59,786.54 Q3_8.2@1200.59,791.26 ; v1(1240,655) 1232.6,662.4 1232.6,759.25 Q3_8.2@1200.59,791.26
CELL9: D9_10.C JP1.10 Q3_9.2 R34_9.2 R35_10.1 | length 472.4
  Component Side w10: JP1.10@1220.28,870 1330,760.28 R34_9.2@1330,727.72
  Solder Side w20: JP1.10@1220.28,870 1242.13,870 Q3_9.2@1325.59,786.54 1357.6,754.53 R35_10.1@1357.6,655
  other v1: 1365,655
CELL10: D9_11.C JP1.11 Q3_10.2 R34_10.2 R35_11.1 | length 510
  Component Side w10: JP1.11@1318.7,870 1455,733.7 R34_10.2@1455,727.72
  Solder Side w20: JP1.11@1318.7,870 1369.43,819.27 1417.86,819.27 Q3_10.2@1450.59,786.54 1482.6,754.53 R35_11.1@1482.6,655
  other v1: 1490,655
CELL11: D9_12.C JP1.12 Q3_11.2 R34_11.2 R35_12.1 | length 559.8
  Component Side w10: JP1.12@1417.13,870 1437.96,870 1580,727.96 R34_11.2@1580,727.72
  Solder Side w20: JP1.12@1417.13,870 1467.57,819.55 1542.57,819.55 Q3_11.2@1575.59,786.54 1607.6,754.53 R35_12.1@1607.6,655
  other v1: 1615,655
CELL12: JP1.13 Q3_12.2 R34_12.2 | length 490.3
  Component Side w10: JP1.13@1515.55,860 JP1.13@1537.72,860 ; JP1.13@1515.55,870 1562.96,870 1705,727.96 R34_12.2@1705,727.72
  Solder Side w20: JP1.13@1515.55,870 1617.13,870 Q3_12.2@1700.59,786.54
CHARGE_GATE: Q6.2 R56.1 U7.16 | length 600.1
  Component Side w10: v1@2915.15,154.85 3020.3,260 3035.67,260 3104,328.33 3104,405 3113.98,414.98 Q6.2@3136.5,414.98
  Solder Side w10: U7.16@2841,350.43 2841,229 v1(2915,155)
CHG+: C22.1 C37.2 C39.2 D5.1 D6.1 Q6.3 Q7.3 R32.2 R48.2 SWITCH.2 | length 2241.5
  Solder Side w10: SWITCH.2@485,98.63 565.63,18 2457.69,18 2565,125.31 v1(2565,127.28) ; R32.2@2417.72,290 2417.72,282.28 v1(2470,230)
  other v1: 2750,110 2780,110 2810,110 2750,140 2780,140 2810,140
DISCHARGE_GATE: Q4.1 R54.1 U7.12 | length 610.3
  Component Side w10: v1(2855,455) 2915,455 2957.63,497.63 3231.7,497.63 v1(3236,493.33)
  Solder Side w10: U7.12@2826,452.8 2852.8,452.8 v1(2855,455) ; v1(3236,493.33) 3275.75,453.58 Q4.1@3355,453.58 3384.13,453.58 v1(3395,442.72)
DSG+: C38.2 D17.1 Q4.2 Q4.2_1 Q4.2_2 Q4.2_3 Q4.2_4 Q4.2_5 Q4.2_6 Q4.2_7 R42.2 R43.2 R51.2 R54.2 R60.2 | length 371.2
  Solder Side w10: v1(640,150) 640,147.44 R60.2@667.44,120 ; R51.2@2885,412.28 2886,411.28 2886,244 2966.31,163.69 2966.31,146.31 v1(2945,125)
  other v1: 3265,45 3290,45 3315,45 3340,45 3365,45 3390,45 3415,45 3440,45 3465,45 3490,45 3265,70 3290,70 3315,70 3340,70 3365,70 3390,70 3415,70 3440,70 3465,70 3490,70 3265,95 3290,95 3315,95 3340,95 3365,95 3390,95 3415,95 3440,95 3465,95 3490,95 3265,120 3290,120 3315,120 3340,120 3365,120 3390,120 3415,120 3440,120 3465,120 3490,120 3265,145 3290,145 3315,145 3340,145 3365,145 3390,145 3415,145 3440,145 3465,145 3490,145 3270,265 3295,265 3320,265 3345,265 3370,265 3395,265 3420,265 3445,265 3270,290 3295,290 3320,290 3345,290 3370,290 3395,290 3420,290 3445,290 3270,315 3295,315 3320,315 3345,315 3370,315 3395,315 3420,315 3445,315 3270,340 3295,340 3320,340 3345,340 3370,340 3395,340 3420,340 3445,340 3270,365 3295,365 3320,365 3345,365 3370,365 3395,365 3420,365 3445,365 3295,390 3320,390 3345,390 3370,390 3395,390 3420,390 3445,390 3320,415 3345,415 3370,415 3395,415 3420,415 3445,415
DSG-: D17.2 F1.1 F2.1 F3.1 F4.1 F5.1 F6.1
  other v1: 2990,45 3015,45 3040,45 3065,45 3090,45 3115,45 3140,45 3165,45 3190,45 3215,45 2990,70 3015,70 3040,70 3065,70 3090,70 3115,70 3140,70 3165,70 3190,70 3215,70 2990,95 3015,95 3040,95 3065,95 3090,95 3115,95 3140,95 3165,95 3190,95 3215,95 2990,120 3015,120 3040,120 3065,120 3090,120 3115,120 3140,120 3165,120 3190,120 3215,120 2990,145 3015,145 3040,145 3065,145 3090,145 3115,145 3140,145 3165,145 3190,145 3215,145 3160,475 3185,475 3210,475 3110,520 3135,520 3160,520 3185,520 3110,545 3135,545 3110,655 3135,655 3160,655 3135,680 3160,680 3185,680 3160,705 3185,705 3185,730